# Altium PCB MotorDriverV2.PcbDoc (part 2 of 2)
Units mm, origin at the board's own origin, x right, y up, seen from the top; angles counter-clockwise.
Board outline 159.35 x 101.3 mm, 4 copper layers (Top Layer, GND, VS, Bottom Layer), stack 0.778 mm thick; 213 components, 141 nets, 729 pads, 323 vias.
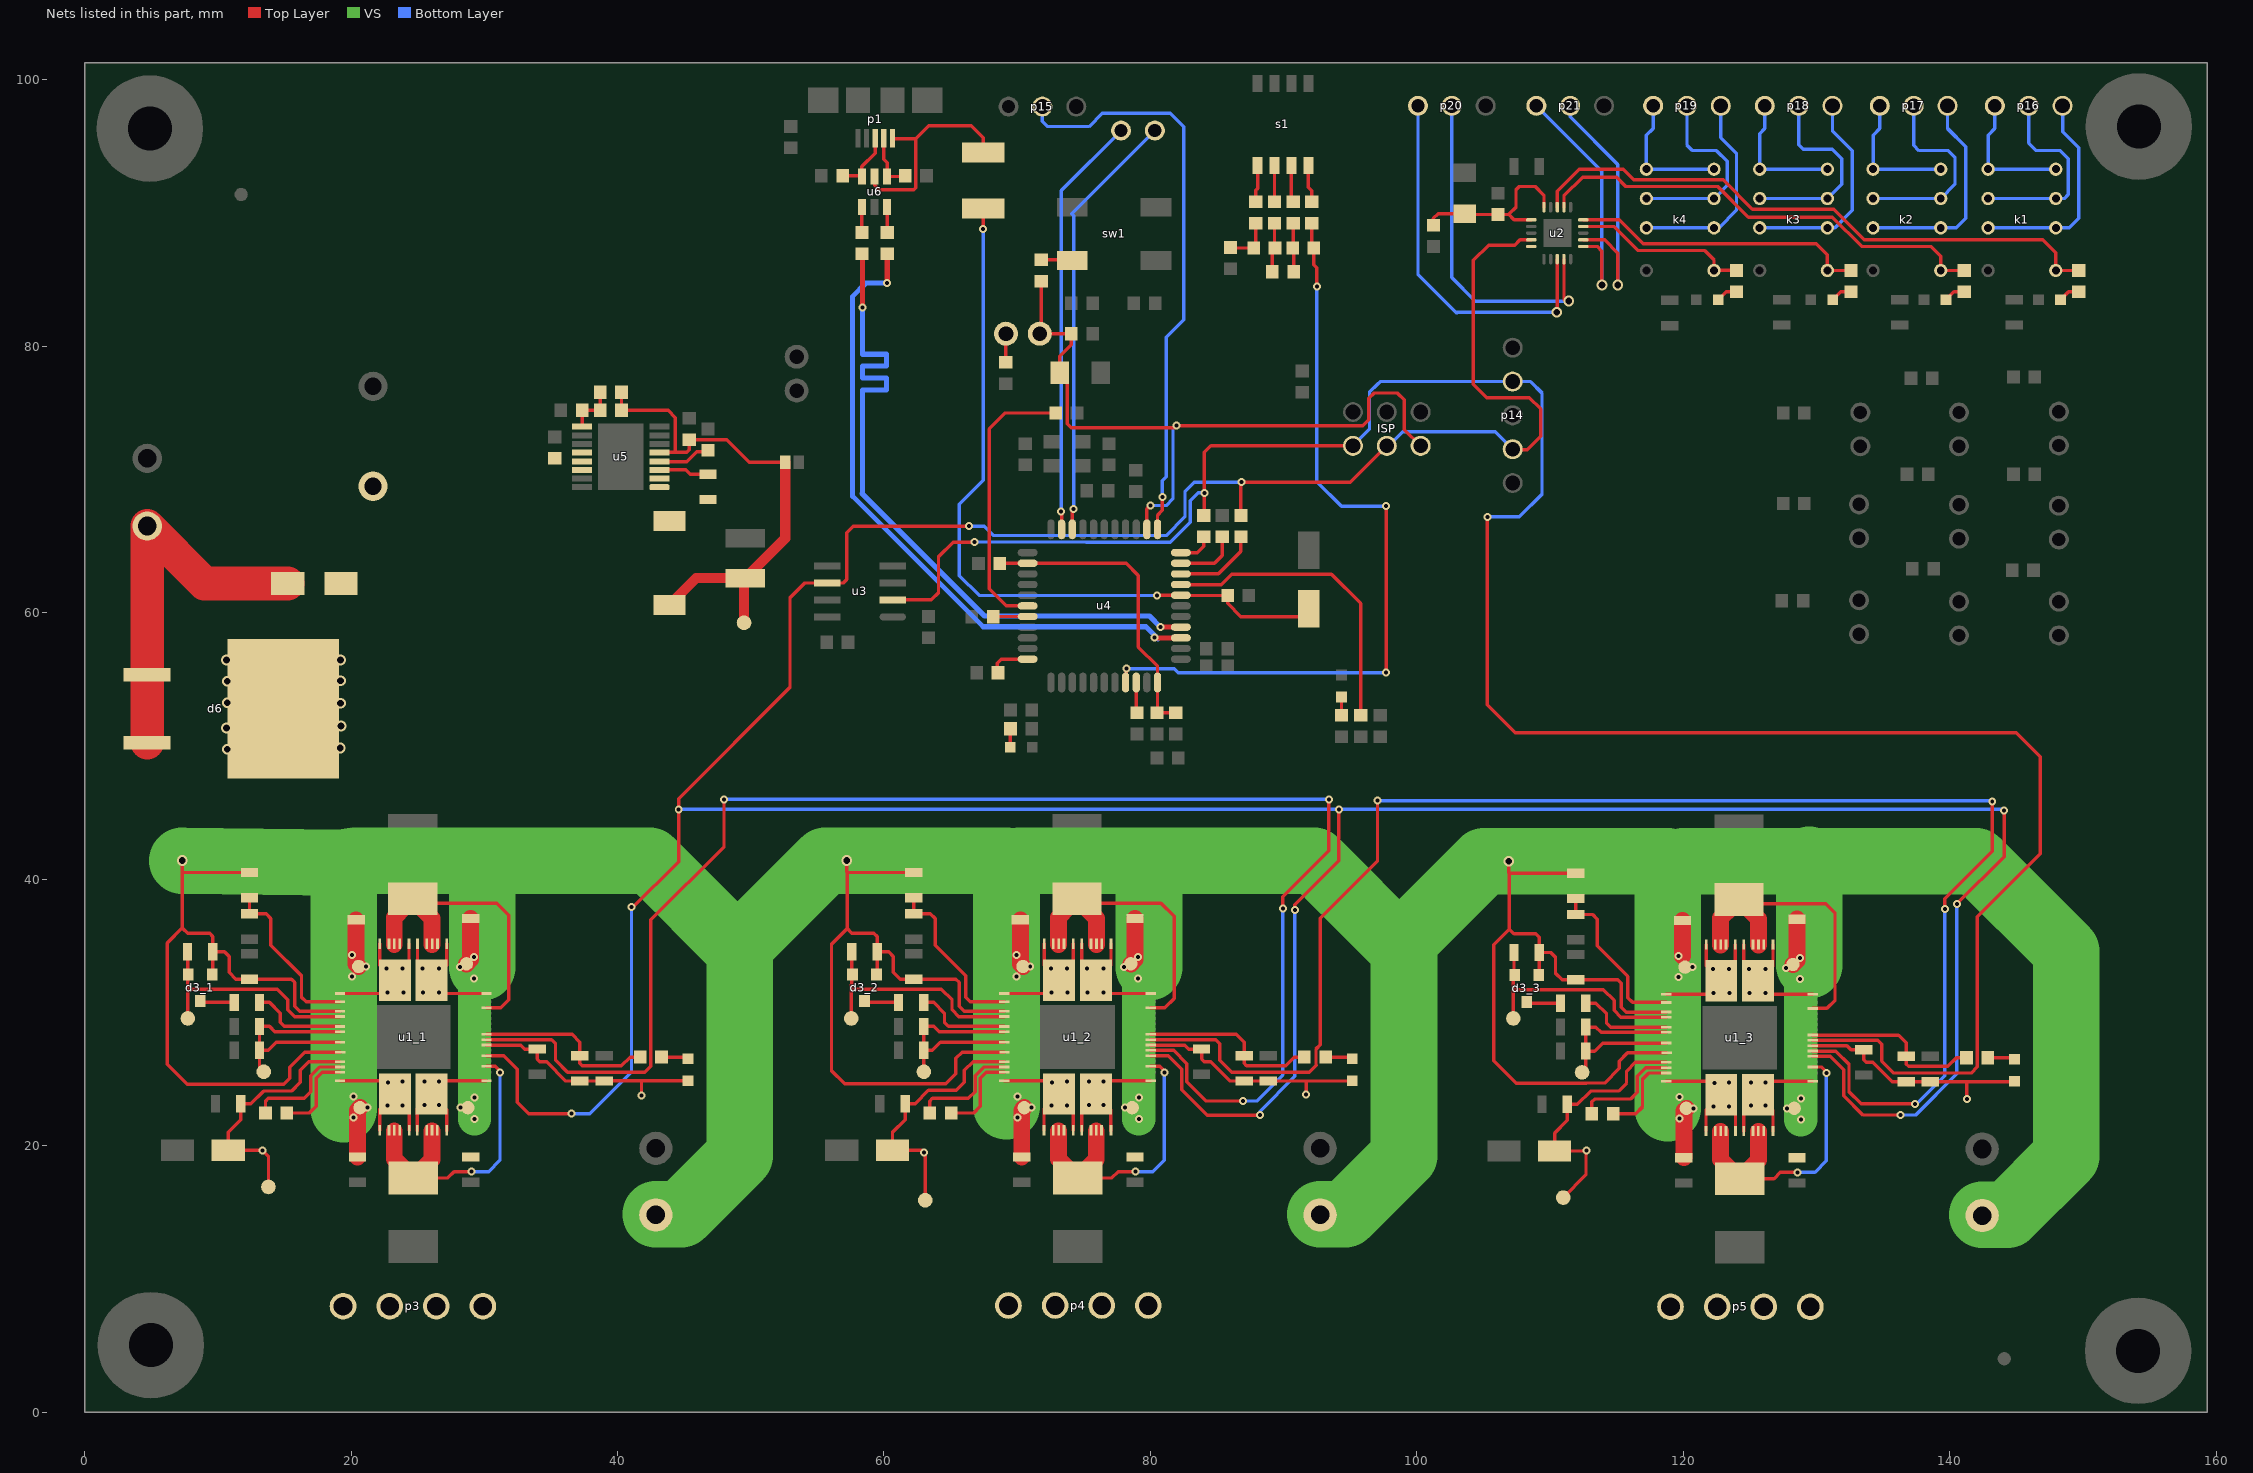
[diagram p4: the nets of this part, all layers, seen from the top]

## Via types
v1: diameter 0.6, hole 0.3, Top Layer to Bottom Layer, tented both sides, 130 vias
v2: diameter 0.6, hole 0.3, Top Layer to Bottom Layer, 115 vias
v3: diameter 0.8, hole 0.5, Top Layer to Bottom Layer, 32 vias
v4: diameter 0.8, hole 0.5, Top Layer to Bottom Layer, tented both sides, 31 vias
v5: diameter 0.8, hole 0.3, Top Layer to Bottom Layer, 15 vias

## Nets (pads, with @x,y where several pads share a name; then routed paths per layer and width w, separated by ;. In a path a pad name is that pad's centre, name@x,y a point inside that pad or via, vN(x,y) a via of type N, cw(c..) or ccw(c..) an arc to the next point about the centre after c; other vN are vias at no path point) (continued)
Netc6_2: c6.2 u4.42 | length 2.3
  Top Layer w0.254: u4.42@78.942,54.768 78.942,52.558 c6.2@79,52.5
Netc7_1: c7.1 c32.1 fb2.2 u4.24 u4.44 | length 23.1
  Top Layer w0.254: c32.1@68.7,63.718 u4.24@70.792,63.718 78.182,63.718 79.1,62.8 79.1,57.43 80.542,55.988 u4.44@80.542,54.768 80.542,52.542 fb2.2@80.5,52.5 c7.1@81.9,52.5
Netc13_U_M_Driver1_2: c13_1.2 c15_1.2 tp4_1.1 u1_1.58 u1_1.60 | length 16
  Top Layer w0.254: tp4_1.1@13.45,25.55 13.13,25.87 c13_1.2@13.13,27.15 ; u1_1.60@19.17,27.75 14.38,27.75 13.78,27.15 c13_1.2@13.13,27.15 ; u1_1.58@19.17,28.55 14.28,28.55 13.88,28.95 c15_1.2@13.13,28.95 c13_1.2@13.13,27.15
Netc13_U_M_Driver2_2: c13_2.2 c15_2.2 tp4_2.1 u1_2.58 u1_2.60 | length 15.9
  Top Layer w0.254: tp4_2.1@63,25.55 62.996,25.554 c13_2.2@62.996,27.15 ; u1_2.60@69.036,27.75 64.246,27.75 63.646,27.15 c13_2.2@62.996,27.15 ; u1_2.58@69.036,28.55 64.146,28.55 63.746,28.95 c15_2.2@62.996,28.95 c13_2.2@62.996,27.15
Netc13_U_M_Driver3_2: c13_3.2 c15_3.2 tp4_3.1 u1_3.58 u1_3.60 | length 16
  Top Layer w0.254: tp4_3.1@112.407,25.5 112.696,25.789 c13_3.2@112.696,27.1 ; u1_3.60@118.736,27.7 113.946,27.7 113.346,27.1 c13_3.2@112.696,27.1 ; u1_3.58@118.736,28.5 113.846,28.5 113.446,28.9 c15_3.2@112.696,28.9 c13_3.2@112.696,27.1
Netc14_U_M_Driver1_1: c14_1.1 d3_1.2 | length 2.6
  Top Layer w0.254: d3_1.2@8.68,30.85 8.78,30.75 c14_1.1@11.23,30.75
Netc14_U_M_Driver1_2: c14_1.2 u1_1.57 | length 7.2
  Top Layer w0.254: c14_1.2@13.13,30.75 13.88,30.75 14.68,29.95 14.68,29.25 14.98,28.95 u1_1.57@19.17,28.95
Netc14_U_M_Driver2_1: c14_2.1 d3_2.2 | length 2.6
  Top Layer w0.254: d3_2.2@58.546,30.85 58.646,30.75 c14_2.1@61.096,30.75
Netc14_U_M_Driver2_2: c14_2.2 u1_2.57 | length 7.2
  Top Layer w0.254: c14_2.2@62.996,30.75 63.746,30.75 64.546,29.95 64.546,29.25 64.846,28.95 u1_2.57@69.036,28.95
Netc14_U_M_Driver3_1: c14_3.1 d3_3.2 | length 2.6
  Top Layer w0.254: d3_3.2@108.246,30.8 108.346,30.7 c14_3.1@110.796,30.7
Netc14_U_M_Driver3_2: c14_3.2 u1_3.57 | length 7.2
  Top Layer w0.254: c14_3.2@112.696,30.7 113.446,30.7 114.246,29.9 114.246,29.2 114.546,28.9 u1_3.57@118.736,28.9
Netc16_U_M_Driver1_1: c16_1.1 d3_1.3 tp2_1.1 u1_1.56 | length 17.7
  Top Layer w0.254: c16_1.1@7.73,34.55 7.73,32.9 d3_1.3@7.78,32.85 7.75,32.82 7.75,31.75 ; tp2_1.1@7.75,29.55 7.75,31.75 ; u1_1.56@19.17,29.69 15.76,29.69 15.25,30.2 15.25,30.95 14.45,31.75 7.75,31.75
Netc16_U_M_Driver2_1: c16_2.1 d3_2.3 tp2_2.1 u1_2.56 | length 17.8
  Top Layer w0.254: tp2_2.1@57.55,29.55 57.55,31.75 ; c16_2.1@57.596,34.55 57.596,32.12 57.55,32.074 57.55,31.75 ; u1_2.56@69.036,29.69 65.626,29.69 65.116,30.2 65.116,30.95 64.316,31.75 57.55,31.75
Netc16_U_M_Driver3_1: c16_3.1 d3_3.3 tp2_3.1 u1_3.56 | length 17.8
  Top Layer w0.254: tp2_3.1@107.25,29.55 107.25,31.7 ; c16_3.1@107.296,34.5 107.296,32.85 d3_3.3@107.346,32.8 107.25,32.704 107.25,31.7 ; u1_3.56@118.736,29.64 115.326,29.64 114.816,30.15 114.816,30.9 114.016,31.7 107.25,31.7
Netc27_1: c27.1 u5.3 | length 3.8
  Top Layer w0.254: u5.3@43.15,70.725 45.125,70.725 45.45,70.4 c27.1@46.8,70.4
Netc28_2: c28.2 u5.4 | length 4
  Top Layer w0.254: u5.4@43.15,71.375 43.175,71.35 45.2,71.35 45.95,72.1 46.7,72.1 c28.2@46.8,72.2
Netc30_1: c30.1 r20.2 r50.2 u5.9 | length 3.9
  Top Layer w0.254: u5.9@37.35,73.975 r20.2@37.35,75.2 r50.2@38.7,75.2 c30.1@38.7,76.55
Netc40_2: c40.2 p24.1 | length 2.2
  Top Layer w0.254: c40.2@69.15,78.8 69.15,80.94 p24.1@69.16,80.95
Netc41_2: c41.2 d4.2 r19.1 u2.1 u2.20 | length 13.6
  Top Layer w0.254: c41.2@101.25,89.1 101.25,89.6 101.613,89.963 d4.2@103.6,89.963 103.663,89.9 r19.1@106.1,89.9 106.9,89.9 ; u2.1@108.6,89.5 107.3,89.5 106.9,89.9 ; u2.20@109.55,90.45 109.55,91.35 108.9,92 107.7,92 107.45,91.75 107.45,90.45 106.9,89.9
Netd7_U_M_Driver1_2: d7.2@45.3,26.525 r48.2@43.3,26.65 | length 2.1
  Top Layer w0.254: r48.2@43.3,26.65 45.175,26.65 d7.2@45.3,26.525
Netd7_U_M_Driver2_2: d7.2@95.166,26.525 r48.2@93.166,26.65 | length 2.1
  Top Layer w0.254: r48.2@93.166,26.65 95.041,26.65 d7.2@95.166,26.525
Netd7_U_M_Driver3_2: d7.2@144.866,26.475 r48.2@142.866,26.6 | length 2.1
  Top Layer w0.254: r48.2@142.866,26.6 144.741,26.6 d7.2@144.866,26.475
Netd8_1: d8.1 r21.1 | length 1.4
  Top Layer w0.254: d8.1@69.475,49.9 69.475,51.275 r21.1@69.5,51.3
Netd9_2: d9.2 r25.1 | length 1.6
  Top Layer w0.254: d9.2@148.325,83.5 148.925,84.1 r25.1@149.7,84.1
Netd10_2: d10.2 r26.1 | length 1.6
  Top Layer w0.254: d10.2@139.725,83.5 140.325,84.1 r26.1@141.1,84.1
Netd11_2: d11.2 r27.1 | length 1.6
  Top Layer w0.254: d11.2@131.225,83.5 131.825,84.1 r27.1@132.6,84.1
Netd12_2: d12.2 r28.1 | length 1.6
  Top Layer w0.254: d12.2@122.625,83.5 123.225,84.1 r28.1@124,84.1
Netd13_2: d13.2 r49.1 | length 1.4
  Top Layer w0.254: r49.1@94.35,52.3 d13.2@94.35,53.675
Netf1_1: f1.1 p1.1 u6.5 | length 16.4
  Top Layer w0.254: u6.5@59.3,92.75 59.3,92.08 59.63,91.75 62.25,91.75 62.4,91.9 62.4,95.6 ; p1.1@60.637,95.58 62.38,95.58 62.4,95.6 ; f1.1@67.45,94.55 67.45,95.65 66.55,96.55 63.35,96.55 62.4,95.6
Netk1_2: k1.2 k1.7 p16.3 | length 16.1
  Bottom Layer w0.254: k1.7@142.89,88.897 k1.2@147.97,88.897 148.997,88.897 149.7,89.6 149.7,94.9 148.478,96.122 p16.3@148.478,98.055
Netk1_3: k1.3 k1.6 p16.2 | length 15.1
  Bottom Layer w0.254: k1.6@142.89,91.097 k1.3@147.97,91.097 148.597,91.097 148.9,91.4 148.9,94.1 148.3,94.7 146.5,94.7 145.938,95.262 p16.2@145.938,98.055
Netk1_4: k1.4 k1.5 p16.1 | length 10
  Bottom Layer w0.254: p16.1@143.398,98.055 143.398,96.355 142.89,95.847 k1.5@142.89,93.297 k1.4@147.97,93.297
Netk2_2: k2.2 k2.7 p17.3 | length 16.3
  Bottom Layer w0.254: k2.7@134.254,88.897 k2.2@139.334,88.897 140.497,88.897 141.2,89.6 141.2,94.997 139.842,96.355 p17.3@139.842,98.055
Netk2_3: k2.3 k2.6 p17.2 | length 15.1
  Bottom Layer w0.254: k2.6@134.254,91.097 k2.3@139.334,91.097 140.4,92.163 140.4,94.2 139.9,94.7 137.7,94.7 137.302,95.098 p17.2@137.302,98.055
Netk2_4: k2.4 k2.5 p17.1 | length 10
  Bottom Layer w0.254: p17.1@134.762,98.055 134.762,96.355 134.254,95.847 k2.5@134.254,93.297 k2.4@139.334,93.297
Netk3_2: k3.2 k3.7 p18.3 | length 16
  Bottom Layer w0.254: k3.7@125.745,88.897 k3.2@130.825,88.897 131.397,88.897 132.7,90.2 132.7,94.7 131.206,96.194 p18.3@131.206,98.055
Netk3_3: k3.3 k3.6 p18.2 | length 15.1
  Bottom Layer w0.254: k3.6@125.745,91.097 k3.3@130.825,91.097 131.9,92.172 131.9,94.1 131.2,94.8 129,94.8 128.666,95.134 p18.2@128.666,98.055
Netk3_4: k3.4 k3.5 p18.1 | length 10
  Bottom Layer w0.254: p18.1@126.126,98.055 126.126,96.355 125.745,95.974 k3.5@125.745,93.297 k3.4@130.825,93.297
Netk4_2: k4.2 k4.7 p19.3 | length 15.6
  Bottom Layer w0.254: k4.7@117.236,88.897 k4.2@122.316,88.897 122.697,88.897 124,90.2 124,94.5 122.824,95.676 p19.3@122.824,98.055
Netk4_3: k4.3 k4.6 p19.2 | length 14.7
  Bottom Layer w0.254: k4.6@117.236,91.097 k4.3@122.316,91.097 123.3,92.081 123.3,93.9 122.5,94.7 120.7,94.7 120.284,95.116 p19.2@120.284,98.055
Netk4_4: k4.4 k4.5 p19.1 | length 10.1
  Bottom Layer w0.254: p19.1@117.944,98.055 117.744,97.855 117.744,96.355 117.236,95.847 k4.5@117.236,93.297 k4.4@122.316,93.297
Netp1_2: p1.2 u6.4 vr2.2 | length 4.3
  Top Layer w0.254: p1.2@60,95.625 60,94.05 60.25,93.8 u6.4@60.25,92.75 61.55,92.75 vr2.2@61.6,92.8
Netp1_3: p1.3 u6.6 vr1.2 | length 4.8
  Top Layer w0.254: vr1.2@56.9,92.8 58.3,92.8 u6.6@58.35,92.75 58.35,93.5 59.35,94.5 p1.3@59.35,95.625
Netr2_1: r2.1 u6.1 | length 1.9
  Top Layer w0.254: r2.1@58.35,88.55 u6.1@58.35,90.45
Netr3_1: r3.1 u6.3 | length 1.9
  Top Layer w0.254: r3.1@60.25,88.55 u6.3@60.25,90.45
Netr6_U_M_Driver1_1: r6_1.1 r7_1.2 u1_1.54 | length 12.8
  Top Layer w0.254: r6_1.1@12.38,38.6 r7_1.2@12.38,37.4 13.63,37.4 13.98,37.05 13.98,35.05 16.28,32.75 16.28,31.15 16.63,30.8 u1_1.54@19.17,30.8
Netr6_U_M_Driver2_1: r6_2.1 r7_2.2 u1_2.54 | length 12.8
  Top Layer w0.254: r6_2.1@62.246,38.6 r7_2.2@62.246,37.4 63.496,37.4 63.846,37.05 63.846,35.05 66.146,32.75 66.146,31.15 66.496,30.8 u1_2.54@69.036,30.8
Netr6_U_M_Driver3_1: r6_3.1 r7_3.2 u1_3.54 | length 12.8
  Top Layer w0.254: r6_3.1@111.946,38.55 r7_3.2@111.946,37.35 113.196,37.35 113.546,37 113.546,35 115.846,32.7 115.846,31.1 116.196,30.75 u1_3.54@118.736,30.75
Netr8_1: r8.1 r12.1 r13.2 | length 3.7
  Top Layer w0.254: r12.1@86.019,87.422 86.057,87.384 r13.2@87.759,87.384 87.924,87.549 r8.1@87.924,89.251
Netr8_2: r8.2 s1.1 | length 2.8
  Top Layer w0.254: r8.2@87.924,90.851 87.924,91.724 88.051,91.851 s1.1@88.051,93.58
Netr9_1: r9.1 r15.1 u4.41 | length 58.7
  Top Layer w0.254: u4.41@78.142,54.768 78.2,54.826 v1(78.2,55.8) ; r9.1@92.115,89.251 92.115,87.549 r15.1@92.28,87.384 92.28,86.12 92.5,85.9 v1(92.5,84.5) ; v1(97.7,55.5) v1(97.7,68)
  Bottom Layer w0.254: v1(78.2,55.8) 81.8,55.8 82.1,55.5 v1(97.7,55.5) ; v1(92.5,84.5) 92.5,69.85 94.35,68 v1(97.7,68)
Netr9_2: r9.2 s1.4 | length 2.8
  Top Layer w0.254: s1.4@91.861,93.58 91.861,91.939 92.115,91.685 r9.2@92.115,90.851
Netr10_1: r10.1 r13.1 r14.2 | length 3.7
  Top Layer w0.254: r14.2@89.156,85.606 89.156,87.257 89.321,87.422 r10.1@89.321,89.251
Netr10_2: r10.2 s1.2 | length 2.7
  Top Layer w0.254: r10.2@89.321,90.851 s1.2@89.321,93.58
Netr11_1: r11.1 r14.1 r15.2 | length 3.7
  Top Layer w0.254: r11.1@90.718,89.251 90.718,87.422 90.756,87.384 r14.1@90.756,85.606
Netr11_2: r11.2 s1.3 | length 2.8
  Top Layer w0.254: s1.3@90.591,93.58 90.591,90.978 r11.2@90.718,90.851
Netr16_2: r16.2 u4.33 | length 3.2
  Top Layer w0.254: r16.2@68.6,55.5 68.518,55.582 68.518,56.218 68.818,56.518 u4.33@70.792,56.518
Netr17_U_M_Driver1_2: r17_1.2 u1_1.20 u1_1.34 u1_1.35 u1_1.36 u1_1.39 u1_1.40 u1_1.41 | length 23.5
  Top Layer w0.254: r17_1.2@24.005,37.9 r17_1.2@24.63,38.525 24.955,38.2 30.95,38.2 31.84,37.31 31.84,30.96 31.23,30.35 u1_1.20@30.17,30.35
  Top Layer w1.27: u1_1.40@23.243,35.112 23.243,37.138 r17_1.2@24.005,37.9 ; r17_1.2@24.955,38.2 26.083,37.072 u1_1.35@26.083,35.112
Netr17_U_M_Driver2_2: r17_2.2 u1_2.20 u1_2.34 u1_2.35 u1_2.36 u1_2.39 u1_2.40 u1_2.41 | length 23.6
  Top Layer w0.254: r17_2.2@73.871,37.9 r17_2.2@74.496,38.525 74.821,38.2 80.8,38.2 81.791,37.209 81.791,31.045 81.096,30.35 u1_2.20@80.036,30.35
  Top Layer w1.27: u1_2.40@73.109,35.112 73.109,37.138 r17_2.2@73.871,37.9 ; r17_2.2@74.821,38.2 75.949,37.072 u1_2.35@75.949,35.112
Netr17_U_M_Driver3_2: r17_3.2 u1_3.20 u1_3.34 u1_3.35 u1_3.36 u1_3.39 u1_3.40 u1_3.41 | length 23.6
  Top Layer w0.254: r17_3.2@123.571,37.85 r17_3.2@124.196,38.475 124.521,38.15 130.7,38.15 131.4,37.45 131.4,30.904 130.796,30.3 u1_3.20@129.736,30.3
  Top Layer w1.27: u1_3.40@122.809,35.062 122.809,37.088 r17_3.2@123.571,37.85 ; r17_3.2@124.521,38.15 125.649,37.022 u1_3.35@125.649,35.062
Netr18_U_M_Driver1_2: r18_1.2 u1_1.9 u1_1.77 u1_1.78 u1_1.79 u1_1.82 u1_1.83 u1_1.84 | length 23.3
  Top Layer w0.254: r18_1.2@24.68,17.575 27.255,17.575 27.73,18.05 v1(29.03,18.05) ; u1_1.9@30.17,25.95 30.83,25.95 31.28,25.5 v1(31.18,25.5)
  Top Layer w1.27: u1_1.78@23.243,21.112 23.243,19.012 r18_1.2@24.68,17.575 26.073,18.968 u1_1.83@26.073,21.112
  Bottom Layer w0.254: v1(29.03,18.05) 30.33,18.05 31.18,18.9 v1(31.18,25.5)
Netr18_U_M_Driver2_2: r18_2.2 u1_2.9 u1_2.77 u1_2.78 u1_2.79 u1_2.82 u1_2.83 u1_2.84 | length 23.3
  Top Layer w0.254: r18_2.2@74.546,17.575 77.121,17.575 77.596,18.05 v1(78.896,18.05) ; u1_2.9@80.036,25.95 80.696,25.95 81.146,25.5 v1(81.046,25.5)
  Top Layer w1.27: u1_2.78@73.109,21.112 73.109,19.012 r18_2.2@74.546,17.575 75.939,18.968 u1_2.83@75.939,21.112
  Bottom Layer w0.254: v1(78.896,18.05) 80.196,18.05 81.046,18.9 v1(81.046,25.5)
Netr18_U_M_Driver3_2: r18_3.2 u1_3.9 u1_3.77 u1_3.78 u1_3.79 u1_3.82 u1_3.83 u1_3.84 | length 23.3
  Top Layer w0.254: r18_3.2@124.246,17.525 126.821,17.525 127.296,18 v1(128.596,18) ; u1_3.9@129.736,25.9 130.396,25.9 130.846,25.45 v1(130.746,25.45)
  Top Layer w1.27: u1_3.78@122.809,21.062 122.809,18.962 r18_3.2@124.246,17.525 125.639,18.918 u1_3.83@125.639,21.062
  Bottom Layer w0.254: v1(128.596,18) 129.896,18 130.746,18.85 v1(130.746,25.45)
Netr22_U_M_Driver1_2: r22_1.2 r48.1@41.7,26.65 u1_1.15 | length 13.7
  Top Layer w0.254: u1_1.15@30.17,28.35 36.6,28.35 37.18,27.77 r22_1.2@37.18,26.75 37.18,26.17 37.35,26 40.3,26 40.95,26.65 r48.1@41.7,26.65
Netr22_U_M_Driver2_2: r22_2.2 r48.1@91.566,26.65 u1_2.15 | length 13.7
  Top Layer w0.254: u1_2.15@80.036,28.35 86.466,28.35 87.046,27.77 r22_2.2@87.046,26.75 87.046,26.17 87.216,26 90.166,26 90.816,26.65 r48.1@91.566,26.65
Netr22_U_M_Driver3_2: r22_3.2 r48.1@141.266,26.6 u1_3.15 | length 13.7
  Top Layer w0.254: u1_3.15@129.736,28.3 136.166,28.3 136.746,27.72 136.746,26.12 136.916,25.95 139.866,25.95 140.516,26.6 r48.1@141.266,26.6
Netr24_U_M_Driver1_1: r24_1.1 u1_1.64 | length 6.5
  Top Layer w0.254: r24_1.1@15.18,22.45 16.88,22.45 17.38,22.95 17.38,25.05 17.83,25.5 u1_1.64@19.17,25.5
Netr24_U_M_Driver1_2: r24_1.2 u1_1.63 | length 8.2
  Top Layer w0.254: r24_1.2@13.58,22.45 13.58,23.35 13.78,23.55 16.48,23.55 16.98,24.05 16.98,25.25 17.63,25.9 u1_1.63@19.17,25.9
Netr24_U_M_Driver2_1: r24_2.1 u1_2.64 | length 6.5
  Top Layer w0.254: r24_2.1@65.046,22.45 66.746,22.45 67.246,22.95 67.246,25.05 67.696,25.5 u1_2.64@69.036,25.5
Netr24_U_M_Driver2_2: r24_2.2 u1_2.63 | length 8.2
  Top Layer w0.254: r24_2.2@63.446,22.45 63.446,23.35 63.646,23.55 66.346,23.55 66.846,24.05 66.846,25.25 67.496,25.9 u1_2.63@69.036,25.9
Netr24_U_M_Driver3_1: r24_3.1 u1_3.64 | length 6.5
  Top Layer w0.254: r24_3.1@114.746,22.4 116.446,22.4 116.946,22.9 116.946,25 117.396,25.45 u1_3.64@118.736,25.45
Netr24_U_M_Driver3_2: r24_3.2 u1_3.63 | length 8.2
  Top Layer w0.254: r24_3.2@113.146,22.4 113.146,23.3 113.346,23.5 116.046,23.5 116.546,24 116.546,25.2 117.196,25.85 u1_3.63@118.736,25.85
Netr33_2: r33.2 u4.29 | length 2.6
  Top Layer w0.254: r33.2@68.2,59.7 68.218,59.718 u4.29@70.792,59.718
Netr34_2: r34.2 u4.10 | length 4.7
  Top Layer w0.254: u4.10@82.292,63.718 84.818,63.718 85.4,64.3 r34.2@85.4,65.7
Netr35_2: r35.2 u4.9 | length 6.3
  Top Layer w0.254: u4.9@82.31,62.9 u4.9@82.292,62.918 85.118,62.918 86.8,64.6 r35.2@86.8,65.7
Netr36_2: r36.2 u4.28 | length 20.9
  Top Layer w0.254: u4.28@70.792,60.518 69.182,60.518 67.9,61.8 67.9,73.8 69.1,75 r36.2@72.9,75
Netr37_2: r37.2 u4.8 | length 23.3
  Top Layer w0.254: u4.8@82.292,62.118 85.318,62.118 86.1,62.9 93.6,62.9 95.8,60.7 95.8,52.6 r37.2@95.5,52.3
Netr38_2: r38.2 u4.11 | length 2.6
  Top Layer w0.254: u4.11@82.292,64.518 83.518,64.518 84,65 r38.2@84,65.7
Netr44_1: r44.1 sw1.2 | length 2.4
  Top Layer w0.254: r44.1@71.8,86.5 74.072,86.5 sw1.2@74.128,86.444
Netu2_5: u2.5
OUTA1_1: p3.4 u1_1.38 u1_1.42 u1_1.53 u1_1.94 | length 10.9
  Top Layer w0.254: u1_1.53@19.17,31.42 22.29,31.42 u1_1.94@23.29,32.42 ; u1_1.42@22.16,35.15 22.16,33.55 u1_1.94@23.29,32.42 ; u1_1.38@24.35,35.15 24.35,33.48 u1_1.94@23.29,32.42
  other v2: 22.72,31.5 23.92,31.5 22.67,33.3 23.87,33.3
OUTA1_2: p4.4 u1_2.38 u1_2.42 u1_2.53 u1_2.94 | length 10.9
  Top Layer w0.254: u1_2.53@69.036,31.42 72.156,31.42 u1_2.94@73.156,32.42 ; u1_2.42@72.026,35.15 72.026,33.55 u1_2.94@73.156,32.42 ; u1_2.38@74.216,35.15 74.216,33.48 u1_2.94@73.156,32.42
  other v2: 72.586,31.5 73.786,31.5 72.536,33.3 73.736,33.3
OUTA1_3: p5.4 u1_3.38 u1_3.42 u1_3.53 u1_3.94 | length 10.9
  Top Layer w0.254: u1_3.53@118.736,31.37 121.856,31.37 u1_3.94@122.856,32.37 ; u1_3.42@121.726,35.1 121.726,33.5 u1_3.94@122.856,32.37 ; u1_3.38@123.916,35.1 123.916,33.43 u1_3.94@122.856,32.37
  other v2: 122.286,31.45 123.486,31.45 122.236,33.25 123.436,33.25
OUTA2_1: p3.1 u1_1.22 u1_1.33 u1_1.37 u1_1.93 | length 10.9
  Top Layer w0.254: u1_1.37@24.99,35.15 24.99,33.48 u1_1.93@26.05,32.42 ; u1_1.33@27.18,35.15 27.18,33.55 u1_1.93@26.05,32.42 ; u1_1.22@30.17,31.42 27.05,31.42 u1_1.93@26.05,32.42
  other v2: 25.42,31.5 26.62,31.5 25.37,33.3 26.62,33.3
OUTA2_2: p4.1 u1_2.22 u1_2.33 u1_2.37 u1_2.93 | length 10.9
  Top Layer w0.254: u1_2.37@74.856,35.15 74.856,33.48 u1_2.93@75.916,32.42 ; u1_2.33@77.046,35.15 77.046,33.55 u1_2.93@75.916,32.42 ; u1_2.22@80.036,31.42 76.916,31.42 u1_2.93@75.916,32.42
  other v2: 75.286,31.5 76.486,31.5 75.236,33.3 76.486,33.3
OUTA2_3: p5.1 u1_3.22 u1_3.33 u1_3.37 u1_3.93 | length 10.9
  Top Layer w0.254: u1_3.37@124.556,35.1 124.556,33.43 u1_3.93@125.616,32.37 ; u1_3.33@126.746,35.1 126.746,33.5 u1_3.93@125.616,32.37 ; u1_3.22@129.736,31.37 126.616,31.37 u1_3.93@125.616,32.37
  other v2: 124.986,31.45 126.186,31.45 124.936,33.25 126.186,33.25
OUTB1_1: p3.3 u1_1.65 u1_1.76 u1_1.80 u1_1.97 | length 10.9
  Top Layer w0.254: u1_1.65@19.17,24.88 22.29,24.88 u1_1.97@23.29,23.88 ; u1_1.76@22.15,21.15 22.15,22.74 u1_1.97@23.29,23.88 ; u1_1.80@24.36,21.15 24.36,22.81 u1_1.97@23.29,23.88
  other v2: 22.72,23 23.87,23 22.77,24.75 23.87,24.8
OUTB1_2: p4.3 u1_2.65 u1_2.76 u1_2.80 u1_2.97 | length 10.9
  Top Layer w0.254: u1_2.65@69.036,24.88 72.156,24.88 u1_2.97@73.156,23.88 ; u1_2.76@72.016,21.15 72.016,22.74 u1_2.97@73.156,23.88 ; u1_2.80@74.226,21.15 74.226,22.81 u1_2.97@73.156,23.88
  other v2: 72.586,23 73.736,23 72.636,24.75 73.736,24.8
OUTB1_3: p5.3 u1_3.65 u1_3.76 u1_3.80 u1_3.97 | length 10.9
  Top Layer w0.254: u1_3.65@118.736,24.83 121.856,24.83 u1_3.97@122.856,23.83 ; u1_3.76@121.716,21.1 121.716,22.69 u1_3.97@122.856,23.83 ; u1_3.80@123.926,21.1 123.926,22.76 u1_3.97@122.856,23.83
  other v2: 122.286,22.95 123.436,22.95 122.336,24.7 123.436,24.75
OUTB2_1: p3.2 u1_1.7 u1_1.81 u1_1.85 u1_1.98 | length 10.9
  Top Layer w0.254: u1_1.81@24.973,21.112 24.973,22.772 25.386,23.185 u1_1.98@26.043,23.842 ; u1_1.85@27.173,21.112 27.173,22.712 u1_1.98@26.043,23.842 ; u1_1.7@30.17,24.88 27.081,24.88 u1_1.98@26.043,23.842
  other v2: 25.52,23.05 26.62,23.05 25.52,24.8 26.62,24.8
OUTB2_2: p4.2 u1_2.7 u1_2.81 u1_2.85 u1_2.98 | length 10.9
  Top Layer w0.254: u1_2.81@74.839,21.112 74.839,22.772 75.252,23.184 u1_2.98@75.909,23.842 ; u1_2.85@77.039,21.112 77.039,22.712 u1_2.98@75.909,23.842 ; u1_2.7@80.036,24.88 76.947,24.88 u1_2.98@75.909,23.842
  other v2: 75.386,23.05 76.486,23.05 75.386,24.8 76.486,24.8
OUTB2_3: p5.2 u1_3.7 u1_3.81 u1_3.85 u1_3.98 | length 10.9
  Top Layer w0.254: u1_3.81@124.539,21.062 124.539,22.722 124.952,23.134 u1_3.98@125.609,23.792 ; u1_3.85@126.739,21.062 126.739,22.662 u1_3.98@125.609,23.792 ; u1_3.7@129.736,24.83 126.647,24.83 u1_3.98@125.609,23.792
  other v2: 125.086,23 126.186,23 125.086,24.75 126.186,24.75
PS: D5.2 d6.1 d6.3 p22.1 | length 28.6
  Top Layer w1.27: d6.3@4.687,50.26 d6.3@4.7,50.273
  Top Layer w2.54: d6.3@4.7,50.273 p22.1@4.7,66.51 9.01,62.2 D5.2@15.25,62.2
PSU_O: b1.1 c29.2 c30.2 c31.2 L1.2 r50.1 tp1.1 u5.5 | length 39.1
  Top Layer w0.254: c30.2@40.3,76.55 r50.1@40.3,75.2 43.8,75.2 44.35,74.65 44.35,72.05 ; u5.5@43.15,72.025 43.175,72.05 44.35,72.05 ; b1.1@52.6,71.3 49.9,71.3 48.2,73 c31.2@45.4,73 45.4,72.25 45.2,72.05 44.35,72.05
  Top Layer w0.762: L1.2@43.9,60.6 45.9,62.6 c29.2@49.6,62.6 ; tp1.1@49.5,59.25 49.5,62.5 c29.2@49.6,62.6 ; b1.1@52.6,71.3 52.6,65.6 c29.2@49.6,62.6
PWM: p15.2 u4.12 | length 43.7
  Top Layer w0.254: u4.12@80.542,66.268 80.542,67.342 80.9,67.7 v1(80.9,68.7)
  Bottom Layer w0.254: p15.2@71.9,98 71.9,96.9 72.3,96.5 75.4,96.5 76.4,97.5 81.5,97.5 82.5,96.5 82.5,82 81.2,80.7 81.2,70.2 80.9,69.9 v1(80.9,68.7)
R\E\S\E\T\: d1.2 ISP.5 p24.2 r1.1 r44.2 u4.13 | length 54.5
  Top Layer w0.254: r44.2@71.8,84.9 71.8,81.05 71.899,80.951 r1.1@74.065,80.951 74.065,80.115 73.201,79.251 d1.2@73.201,78.03 73.75,77.481 73.75,74.2 74.05,73.9 81.8,73.9 v1(81.95,74.05) 95.95,74.05 96.4,74.5 96.4,76.1 96.8,76.5 98.55,76.5 99.07,75.98 99.07,73.75 ISP.5@100.29,72.53 ; u4.13@79.742,66.268 79.742,67.792 v1(80,68.05)
  Bottom Layer w0.254: v1(80,68.05) 81.2,68.05 81.7,68.55 81.7,73.8 v1(81.95,74.05)
Relay_OUT1: k1.1 r25.2 u2.18 | length 45
  Top Layer w0.254: u2.18@110.55,90.45 110.55,91.652 112.198,93.3 115.5,93.3 116.3,92.5 123,92.5 125.2,90.3 131.3,90.3 133.6,88 147,88 147.97,87.03 k1.1@147.97,85.697 149.697,85.697 r25.2@149.7,85.7
Relay_OUT2: k2.1 r26.2 u2.17 | length 35
  Top Layer w0.254: u2.17@111.05,90.45 111.05,91.3 112.45,92.7 115,92.7 115.7,92 122.6,92 124.9,89.7 131.2,89.7 133.4,87.5 138.6,87.5 139.334,86.766 k2.1@139.334,85.697 141.097,85.697 r26.2@141.1,85.7
Relay_OUT3: k3.1 r27.2 u2.15 | length 22.4
  Top Layer w0.254: u2.15@112.5,89.5 115.2,89.5 117,87.7 130,87.7 130.825,86.875 k3.1@130.825,85.697 132.597,85.697 r27.2@132.6,85.7
Relay_OUT4: k4.1 r28.2 u2.14 | length 13.3
  Top Layer w0.254: u2.14@112.5,89 114.8,89 116.6,87.2 121.6,87.2 122.316,86.484 k4.1@122.316,85.697 122.319,85.7 r28.2@124,85.7
Relay_OUT5: p21.2 u2.12 | length 20.4
  Top Layer w0.254: u2.12@112.5,88 114.1,88 115.1,87 v4(115.1,84.6)
  Bottom Layer w0.254: p21.2@111.521,98.055 111.521,97.229 115.1,93.65 v4(115.1,84.6)
Relay_OUT6: p21.1 u2.11 | length 19.6
  Top Layer w0.254: u2.11@112.5,87.5 113.55,87.5 113.9,87.15 v4(113.9,84.6)
  Bottom Layer w0.254: p21.1@108.981,98.055 113.9,93.136 v4(113.9,84.6)
Relay_OUT7: p20.2 u2.9 | length 25.8
  Top Layer w0.254: u2.9@111.05,86.55 111.05,83.55 111.2,83.4 v4(111.4,83.4)
  Bottom Layer w0.254: p20.2@102.631,98.055 102.631,85.169 104.4,83.4 v4(111.4,83.4)
Relay_OUT8: p20.1 u2.8 | length 28.3
  Top Layer w0.254: v4(110.5,82.55) 110.55,82.6 u2.8@110.55,86.55
  Bottom Layer w0.254: p20.1@100.091,98.055 100.091,85.409 103,82.5 103.05,82.55 v4(110.5,82.55)
RX: p23.2 u4.20 | length 32.6
  Top Layer w0.254: u4.20@74.142,66.268 74.142,67.692 v1(74.25,67.8)
  Bottom Layer w0.254: v1(74.25,67.8) 74.25,89.81 74.1,89.96 p23.2@80.34,96.2
SCK: ISP.3 p14.2 r35.1 u1_1.11 u1_2.11 u1_3.11 u2.4 u3.6 | length 319.3
  Top Layer w0.254: u1_1.11@30.17,26.75 31.48,26.75 32.48,25.75 32.48,23.27 33.35,22.4 v1(36.55,22.4) ; v1(41.05,37.9) 41.05,37.77 44.6,41.32 v1(44.6,45.25) 44.6,46.05 52.95,54.4 52.95,61.12 54.065,62.235 u3.6@55.735,62.235 56.935,62.235 57.2,62.5 57.2,66 57.7,66.5 v1(66.4,66.5) ; u1_2.11@80.036,26.75 81.346,26.75 82.346,25.75 82.346,24.204 84.265,22.285 v1(88.246,22.285) ; r35.1@86.8,67.3 v1@86.8,69.8 ; v1(86.85,69.8) 95.02,69.8 ISP.3@97.75,72.53 ; v1(90.846,37.7) 90.846,38.092 94.15,41.396 v1(94.15,45.25) ; p14.2@107.2,72.28 107.23,72.25 108.3,72.25 109.3,73.25 109.3,75.3 108.45,76.15 105.25,76.15 104.25,77.15 104.25,86.45 105.4,87.6 107.35,87.6 107.75,88 u2.4@108.6,88 ; u1_3.11@129.736,26.7 131.046,26.7 132.046,25.7 132.046,23.75 133.496,22.3 v1(136.3,22.3) ; v1(140.546,38.146) 144.1,41.7 v1(144.1,45.15)
  Bottom Layer w0.254: v1(36.55,22.4) 37.93,22.4 41.05,25.52 v1(41.05,37.9) ; v1(44.6,45.25) v1(94.15,45.25) 144,45.25 v1(144.1,45.15) ; v1(66.4,66.5) 67.53,66.5 68.23,65.8 81.2,65.8 82.6,67.2 82.6,69.1 83.3,69.8 v1(86.85,69.8) ; v1(88.246,22.285) 88.246,22.596 90.846,25.196 v1(90.846,37.7) ; ISP.3@97.75,72.53 97.88,72.53 98.95,73.6 105.88,73.6 p14.2@107.2,72.28 ; v1(136.3,22.3) 137.446,22.3 140.546,25.4 v1(140.546,38.146)
SDO1: u1_1.14 u1_2.12 | length 117.2
  Top Layer w0.254: u1_1.14@30.17,27.95 35.05,27.95 35.35,27.65 35.35,26.4 36.25,25.5 42.05,25.5 42.509,25.959 42.509,36.959 48,42.45 v1(48,46) ; u1_2.12@80.036,27.15 81.746,27.15 82.746,26.15 82.746,24.804 84.2,23.35 v1(86.95,23.35) ; v1(89.946,37.8) 89.946,38.692 93.4,42.146 v1(93.4,46)
  Bottom Layer w0.254: v1(48,46) v1(93.4,46) ; v1(86.95,23.35) 87.996,23.35 89.946,25.3 v1(89.946,37.8)
SDO2: u1_2.14 u1_3.12 | length 118
  Top Layer w0.254: u1_2.14@80.036,27.95 84.916,27.95 85.216,27.65 85.216,26.4 86.116,25.5 91.916,25.5 92.449,26.033 92.437,26.045 92.437,27.255 92.763,27.581 92.763,37.063 97.05,41.35 v1(97.05,45.9) ; u1_3.12@129.736,27.1 131.446,27.1 132.446,26.1 132.446,24.05 133.352,23.144 v1(137.406,23.144) ; v1(139.646,37.75) 139.646,38.55 143.2,42.104 v1(143.2,45.85)
  Bottom Layer w0.254: v1(97.05,45.9) 143.15,45.9 v1(143.2,45.85) ; v1(137.406,23.144) 137.54,23.144 139.646,25.25 v1(139.646,37.75)
SDO3: ISP.1 p14.4 r38.1 u1_3.14 u3.2 | length 172.7
  Top Layer w0.254: u3.2@60.665,60.965 63.565,60.965 64.1,61.5 64.1,64.2 65.2,65.3 v1(66.8,65.3) ; r38.1@84,67.3 84.05,67.35 v1(84.05,69) 84.05,72.05 84.55,72.55 ISP.1@95.21,72.55 ; v1(105.3,67.2) 105.3,53.1 107.4,51 145,51 146.8,49.2 146.8,41.904 142.075,37.179 142.075,25.909 141.616,25.45 135.816,25.45 134.916,26.35 134.916,27.6 134.616,27.9 u1_3.14@129.736,27.9
  Bottom Layer w0.254: v1(66.8,65.3) 66.812,65.312 75.171,65.312 75.183,65.3 81.5,65.3 83,66.8 83,68.4 83.6,69 v1(84.05,69) ; ISP.1@95.21,72.53 96.45,73.77 96.45,76.55 97.075,77.175 97.26,77.36 108.54,77.36 109.4,76.5 109.4,68.9 107.7,67.2 v1(105.3,67.2)
SW: 
SW_O: c27.2 L1.1 u5.1 u5.2
TX: p23.1 u4.21 | length 31.8
  Top Layer w0.254: v1(73.3,67.6) 73.342,67.558 u4.21@73.342,66.268
  Bottom Layer w0.254: v1(73.3,67.6) 73.3,91.7 p23.1@77.8,96.2
USB_N: r3.2 u4.3 | length 49.6
  Top Layer w0.381: v1(60.25,84.75) r3.2@60.25,86.95 ; v1(80.324,58.154) 80.36,58.118 u4.3@82.292,58.118
  Bottom Layer w0.381: v1(60.25,84.75) 58.65,84.75 57.656,83.755 57.656,68.744 67.45,58.95 79.683,58.95 v1@80.583,58.05
USB_P: r2.2 u4.4 | length 53.3
  Top Layer w0.381: r2.2@58.35,86.95 58.4,86.9 v1(58.4,82.9) ; v1(80.768,58.918) u4.4@82.292,58.918
  Bottom Layer w0.381: v1(58.4,82.9) 58.4,79.406 60.187,79.406 60.187,78.517 58.4,78.517 58.4,77.628 60.187,77.628 60.187,76.739 58.4,76.739 58.4,69 58.35,68.95 67.55,59.75 79.936,59.75 v1(80.768,58.918)
VIN: c18.2 c42.2 D5.1 u5.12 u5.13 u5.14
VREG_U_M_Driver1: c10_1.2 c11_1.2 c12_1.1 d7.1@45.3,24.875 r22_1.1 r23_1.1 tp3_1.1 u1_1.13 u1_1.62 | length 36.5
  Top Layer w0.254: tp3_1.1@13.8,16.9 13.8,19.2 v1(13.35,19.65) c10_1.2@10.78,19.65 10.78,21 11.73,21.95 c11_1.2@11.73,23.15 12.48,23.15 13.43,24.1 15.53,24.1 16.18,24.75 16.18,25.65 16.83,26.3 u1_1.62@19.17,26.3 ; u1_1.13@30.17,27.55 32.73,27.55 33.03,27.25 c12_1.1@33.98,27.25 33.98,26.5 34.18,26.3 34.68,26.3 36.13,24.85 r22_1.1@37.18,24.85 r23_1.1@39,24.85 39.025,24.875 41.8,24.875 ; v1(41.8,23.75) 41.8,24.875 ; d7.1@45.3,24.875 41.8,24.875
VREG_U_M_Driver2: c10_2.2 c11_2.2 c12_2.1 d7.1@95.166,24.875 r22_2.1 r23_2.1 tp3_2.1 u1_2.13 u1_2.62 | length 36.9
  Top Layer w0.254: tp3_2.1@63.1,15.9 63.1,19.4 v1(63,19.5) 62.85,19.65 c10_2.2@60.646,19.65 60.646,21 61.596,21.95 c11_2.2@61.596,23.15 62.346,23.15 63.346,24.15 65.446,24.15 66.046,24.75 66.046,25.65 66.696,26.3 u1_2.62@69.036,26.3 ; u1_2.13@80.036,27.55 82.596,27.55 82.896,27.25 c12_2.1@83.846,27.25 83.846,26.5 84.046,26.3 84.546,26.3 85.996,24.85 r23_2.1@88.846,24.85 88.866,24.85 91.7,24.85 ; v1(91.7,23.85) 91.7,24.85 ; d7.1@95.166,24.85 91.7,24.85
VREG_U_M_Driver3: c10_3.2 c11_3.2 c12_3.1 d7.1@144.866,24.825 r22_3.1 r23_3.1 tp3_3.1 u1_3.13 u1_3.62 | length 37.7
  Top Layer w0.254: tp3_3.1@111,16.1 112.7,17.8 112.7,19.6 c10_3.2@110.346,19.6 110.346,20.95 111.296,21.9 c11_3.2@111.296,23.1 112.046,23.1 113.046,24.1 115.146,24.1 115.746,24.7 115.746,25.6 116.396,26.25 u1_3.62@118.736,26.25 ; u1_3.13@129.736,27.5 132.296,27.5 132.596,27.2 c12_3.1@133.546,27.2 133.546,26.45 133.746,26.25 134.246,26.25 135.696,24.8 r23_3.1@138.546,24.8 138.566,24.8 141.3,24.8 ; v1(141.3,23.5) 141.3,24.8 ; d7.1@144.866,24.8 141.3,24.8
  other v1: 112.75,19.65
VS: c16_1.2 c16_2.2 c16_3.2 c17_1.2 c17_2.2 c17_3.2 c19_1.2 c19_2.2 c19_3.2 c20_1.1 c20_2.1 c20_3.1 c21_1.1 c21_2.1 c21_3.1 c22_1.1 c22_2.1 c22_3.1 c23_1.1 c23_2.1 c23_3.1 d3_1.1 d3_2.1 d3_3.1 d6.4 r6_1.2 r6_2.2 r6_3.2 u1_1.55 u1_1.61 u1_1.91 u1_1.92 u1_1.95 u1_1.96 u1_2.55 u1_2.61 u1_2.91 u1_2.92 u1_2.95 u1_2.96 u1_3.55 u1_3.61 u1_3.91 u1_3.92 u1_3.95 u1_3.96 | length 532.5
  Top Layer w0.254: v4(7.334,41.4) 7.334,36.346 6.2,35.212 6.2,26.1 7.7,24.6 14.95,24.6 15.4,25.05 15.4,25.9 16.52,27.02 u1_1.61@19.19,27.02 ; 7.38,36.3 7.73,35.95 9.38,35.95 9.63,35.7 c16_1.2@9.63,34.55 ; 7.38,40.5 r6_1.2@12.38,40.5 ; d3_1.1@9.58,32.85 9.63,32.9 c16_1.2@9.63,34.55 ; u1_1.55@19.17,30.08 19.165,30.075 16.155,30.075 15.78,30.45 15.78,32.25 15.53,32.5 c19_1.2@12.38,32.5 11.35,32.5 10.85,33 10.85,34.2 10.5,34.55 c16_1.2@9.63,34.55 ; v4(57.2,41.4) 57.2,40.546 57.246,40.5 ; d3_2.1@59.446,32.85 59.496,32.9 c16_2.2@59.496,34.22 ; r6_2.2@62.246,40.5 57.246,40.5 ; u1_2.55@69.036,30.08 69.031,30.075 66.021,30.075 65.646,30.45 65.646,32.25 65.396,32.5 c19_2.2@62.246,32.5 61.216,32.5 60.716,33 60.716,34.2 60.366,34.55 c16_2.2@59.496,34.55 59.496,35.7 59.246,35.95 57.596,35.95 57.246,36.3 ; u1_2.61@69.056,27.02 65.87,27.02 65.4,26.55 65.4,25.4 64.65,24.65 57.05,24.65 56.066,25.634 56.066,35.12 57.246,36.3 ; v4(106.9,41.35) 106.9,40.496 106.946,40.45 ; d3_3.1@109.146,32.8 109.196,32.85 c16_3.2@109.196,34.17 ; r6_3.2@111.946,40.45 106.946,40.45 ; u1_3.55@118.736,30.03 118.731,30.025 115.721,30.025 115.346,30.4 115.346,32.2 115.096,32.45 c19_3.2@111.946,32.45 110.916,32.45 110.416,32.95 110.416,34.15 110.066,34.5 c16_3.2@109.196,34.5 109.196,35.65 108.946,35.9 107.296,35.9 106.946,36.25 ; u1_3.61@118.756,26.97 115.82,26.97 115.2,26.35 115.2,25.8 114.1,24.7 112.744,24.7 112.74,24.696 107.454,24.696 105.766,26.384 105.766,35.07 106.946,36.25 ; 57.246,36.3 57.246,40.5 ; 106.946,36.25 106.946,40.45
  Top Layer w1.27: c20_1.1@20.38,36.95 20.38,33.64 u1_1.95@20.57,33.45 ; c21_1.1@20.48,19.15 20.48,22.66 u1_1.96@20.67,22.85 ; u1_1.92@28.67,33.65 28.98,33.96 c22_1.1@28.98,37.05 ; c20_2.1@70.246,36.95 70.246,33.64 u1_2.95@70.436,33.45 ; c21_2.1@70.346,19.15 70.346,22.66 u1_2.96@70.536,22.85 ; u1_2.92@78.536,33.65 78.846,33.96 c22_2.1@78.846,37.05 ; 119.946,34.25 c20_3.1@119.946,36.9 ; c21_3.1@120.046,19.1 120.046,22.61 u1_3.96@120.236,22.8 ; u1_3.92@128.236,33.6 128.546,33.91 c22_3.1@128.546,37
  VS w2.5: v2(29.27,22) v2(29.27,23.6) 29.27,32.82 29.85,33.4 ; v2(79.136,22) v2(79.136,23.6) 79.136,32.636 79.9,33.4 ; v2(128.786,34.1) 128.836,34.05 v2(128.836,23.55) v2(128.836,21.95)
  VS w5: v4(7.334,41.4) 19.45,41.25 ; 19.45,22.75 19.45,41.25 ; 29.6,41.4 29.85,41.4 ; 29.85,33.4 29.85,41.4 ; c17_1.2@42.88,14.85 44.78,14.85 49.18,19.25 49.18,34.654 42.434,41.4 29.85,41.4 ; 49.45,35.25 55.6,41.4 v4(57.2,41.4) 69.2,41.4 69.2,22.95 ; 70.2,41.4 79.9,41.4 ; 79.9,33.4 79.9,41.4 ; c17_2.2@92.746,14.85 94.646,14.85 99.046,19.25 99.046,34.654 92.3,41.4 79.9,41.4 ; 98.996,35.3 105.046,41.35 v4(106.9,41.35) 118.85,41.35 118.85,22.8 ; 120,41.35 129.45,41.35 ; 129.45,33.55 129.45,41.35 ; 129.45,41.475 129.45,41.35 ; c17_3.2@142.446,14.8 144.346,14.8 148.746,19.2 148.746,34.604 142,41.35 129.45,41.35 ; 19.45,41.25 20.35,41.4 28.95,41.4 29.85,41.4
  other v2: 119.736,22.05 20.17,22.1 70.036,22.1 120.786,22.8 127.786,22.8 21.22,22.85 28.22,22.85 71.086,22.85 78.086,22.85 119.736,23.65 20.17,23.7 70.036,23.7 128.786,32.5 29.22,32.55 79.086,32.55 119.636,32.65 20.07,32.7 69.936,32.7 127.736,33.35 28.17,33.4 78.036,33.4 120.686,33.4 21.12,33.45 70.986,33.45 29.22,34.15 79.086,34.15 119.636,34.25 20.07,34.3 69.936,34.3
  other v4: 10.7,49.75 19.2,49.85 10.65,51.35 19.25,51.5 19.206,53.2 10.7,53.25 10.7,54.85 19.206,54.89 10.65,56.45 19.206,56.458
VUSB: c8.2 c9.1 f1.2 u4.7 | length 56.2
  Top Layer w0.254: v1(67.45,88.8) f1.2@67.45,90.35 ; v1(80.5,61.3) 80.518,61.318 u4.7@82.292,61.318 82.31,61.3 c9.1@85.8,61.3 85.8,60.7 86.8,59.7 c8.2@91.9,59.7
  Bottom Layer w0.254: v1(67.45,88.8) 67.45,69.95 65.65,68.15 65.65,62.793 67.143,61.3 v1(80.5,61.3)
pads on no net: f3.0 f4.0 p1.4 sw1.1 u1_1.17 u1_1.18 u1_2.17 u1_2.18 u1_3.17 u1_3.18 u2.6 u4.6 u4.32 u4.39 u4.40 u5.7 u5.8 u5.11

## Polygon pours and split planes (outlines as drawn)
3v3 on VS "3v3" (solid, pour order 82): 50.3,101.3 159.35,101.3 159.35,48.25 50.3,48.25
VS on VS "VS" (solid, pour order 54): 9.6,58.8 20.05,58.8 20.05,44.85 22.2,42.7 22.2,40.15 9.6,40.15
VREG_U_M_Driver1 on VS "VREG" (solid, pour order 90): 15.55,22.85 15.55,19.55 31.7,19.55 31.7,30.1 42.55,30.1 42.55,17.25 42.5,17.2 7.25,17.2 7.25,22.85
VREG_U_M_Driver2 on VS "VREG" (solid, pour order 92): 65.4,22.95 65.4,19.6 81.7,19.6 81.7,29.8 92.55,29.8 92.55,17.3 92.5,17.25 57.25,17.25 57.25,22.95
VREG_U_M_Driver3 on VS "VREG" (solid, pour order 94): 115.1,23.2 115.1,19.6 131.35,19.6 131.35,30 142.15,30 142.15,17.2 106.9,17.25 106.9,23.2
GND on GND "GND" (solid, pour order 74): 0,101.6 0.05,101.55 0.05,0
GND on GND "PGND" (solid, pour order 84): 0,101.3 159.35,101.3 159.35,48.25 39.2,48.25 39.2,46.25 39.3,46.15 159.35,46.15 159.35,34.75 139.65,34.75 138.1,34.75 138.1,9.9 108.8,9.9 108.8,34.75 88.4,34.75 88.4,9.9 59.45,9.9 59.45,34.75 38.25,34.75 38.25,9.9 9.6,9.9 9.6,39 0,39
GND on Bottom Layer "GND" (solid, remove dead copper, pour order 88): 0,101.3 159.35,101.3 159.35,0 0,0
OUTA1_1 on Bottom Layer "Top Layer-No Net" (solid, pour order 8): 15.48,6.5 14.48,7.5 14.48,37.4 21.48,37.4 24.58,34.2 24.58,30.7 21.88,30.7 21.68,30.9 21.68,33.9 18.98,33.9 17.4,32.32 17.4,13.98 20.85,10.53 20.85,6.5
OUTA2_1 on Bottom Layer "Top Layer-No Net" (solid, pour order 12): 33.954,6.474 34.959,7.479 34.959,37.374 27.959,37.374 24.78,34.195 24.78,30.7 27.585,30.7 27.759,30.874 27.759,33.874 30.459,33.874 31.95,32.383 31.95,14.27 28.55,10.87 28.55,6.474
OUTB1_1 on Bottom Layer "Top Layer-No Net" (solid, pour order 16): 24.45,6.5 21.3,6.5 21.3,25.5 24.55,25.5 24.55,21.5 24.45,21.4
OUTB2_1 on Bottom Layer "Top Layer-No Net" (solid, pour order 18): 24.9,6.5 28,6.5 28,25.5 24.78,25.5 24.78,21.5 24.9,21.38
OUTA1_2 on Bottom Layer "Top Layer-No Net" (solid, pour order 20): 65.3,6.4 64.3,7.4 64.3,37.3 71.3,37.3 74.4,34.1 74.4,30.8 71.5,30.8 71.5,33.8 68.8,33.8 67.4,32.4 67.4,13.7 70.859,10.241 70.859,6.4
OUTA1_3 on Bottom Layer "Top Layer-No Net" (solid, pour order 22): 115.1,6.4 114.1,7.4 114.1,37.3 121.1,37.3 124.2,34.1 124.2,30.8 121.3,30.8 121.3,33.8 118.6,33.8 117.25,32.45 117.25,13.65 120.6,10.3 120.6,6.4
OUTA2_2 on Bottom Layer "Top Layer-No Net" (solid, pour order 24): 83.774,6.374 84.779,7.379 84.779,37.274 77.779,37.274 74.6,34.095 74.6,30.774 77.579,30.774 77.579,33.774 80.279,33.774 81.7,32.353 81.7,14.1 78.3,10.7 78.3,6.374
OUTA2_3 on Bottom Layer "Top Layer-No Net" (solid, pour order 26): 133.505,6.45 134.51,7.455 134.51,37.35 127.51,37.35 124.331,34.171 124.331,30.8 127.26,30.8 127.31,30.85 127.31,33.85 130.01,33.85 131.4,32.46 131.4,14.145 128.05,10.795 128.05,6.45
OUTB2_2 on Bottom Layer "Top Layer-No Net" (solid, pour order 28): 74.8,6.4 77.75,6.4 77.75,25.4 74.7,25.4 74.7,21.4 74.8,21.3
OUTB2_3 on Bottom Layer "Top Layer-No Net" (solid, pour order 30): 124.45,6.469 127.5,6.469 127.5,25.469 124.45,25.469
OUTB1_2 on Bottom Layer "Top Layer-No Net" (solid, pour order 32): 74.3,6.4 71.5,6.4 71.5,25.4 74.4,25.4 74.4,21.4 74.3,21.3
OUTB1_3 on Bottom Layer "Top Layer-No Net" (solid, pour order 34): 123.95,6.5 121.1,6.5 121.1,25.5 124.15,25.5 124.15,21.45 123.95,21.25
GND on Top Layer "GND" (solid, pour order 86): 0.023,101.33 159.373,101.33 159.373,48.28 39.273,48.28 39.273,46.18 39.323,46.23 159.373,46.23 159.373,0.03 0.023,0.03
SW_O on Top Layer "SW" (solid, pour order 72): 42.45,70.3 42.45,65.75 47.75,65.75 47.75,68.9 47.3,69.35 45.3,69.35 45.3,69.6 44.6,70.3
VIN on Top Layer "Top Layer-No Net" (solid, pour order 60): 17.65,72.3 35.7,72.3 38.3,72.3 38.3,70.5 27.2,70.5 21.5,64.8 21.5,60.95 17.65,60.95
VS on Top Layer "PS" (solid, pour order 4): 29.843,24.302 29.843,21.422 29.853,21.412 27.653,21.412 27.653,18.677 27.68,18.65 30.78,18.65 37.03,12.4 44.08,12.4 44.08,16.75 43.28,17.55 39.48,17.55 34.18,22.85 32.18,22.85 30.728,24.302
VS on Top Layer "PS" (solid, pour order 36): 79.709,24.302 79.709,21.422 79.719,21.412 77.519,21.412 77.519,18.677 77.546,18.65 80.646,18.65 86.796,12.5 93.9,12.5 93.9,16.796 93.146,17.55 89.346,17.55 84.046,22.85 82.046,22.85 80.594,24.302
VS on Top Layer "PS" (solid, pour order 38): 129.409,24.302 129.409,21.422 129.419,21.412 127.219,21.412 127.219,18.677 127.246,18.65 130.346,18.65 135.996,13 143.6,13 143.6,16.796 142.846,17.55 139.046,17.55 133.746,22.85 131.746,22.85 130.294,24.302

## Keep-outs
Keep-Out Layer:
  the board outline again, w0.2

## Other copper
Top Layer:
  text "1" at 39.4,96.8 h2
GND:
  text "2" at 41.9,96.85 h2
VS:
  pour cut-out: 37.1,17.16 42.55,22.61 42.55,17.25 42.46,17.16
  pour cut-out: 87.1,17.21 92.55,22.66 92.55,17.3 92.46,17.21
  pour cut-out: 137.25,20.15 137.35,20.15 137.5,20
  pour cut-out: 136.7,17.2 142.15,22.65 142.15,17.29 142.06,17.2
  text "3" at 46.15,96.85 h2
Bottom Layer:
  pour cut-out: 39.25,48.25 39.25,46 159.35,46 159.35,48.25
  text "4" at 48.9,96.85 h2

## Silkscreen, mask and mechanical layers (free items; w line width, h text height)
Top Overlay:
  text "TOP" at 14.65,95.15 h1.5
  text "TX" at 76.8,93.15 h1
  text "RX" at 80.35,93.15 h1
  text "BP_Motordriver_Rev2" at 14.7,92.55 h1.5
  text "V+ max +60V" at 4.15,90.1 h1 r270
  text "GND" at 109.7,79.5 h1
  text "MI" at 109.8,77 h1
  text "GND" at 10.25,75.85 h2 r270
  text "MO" at 109.8,74.4 h1
  text "SCK" at 109.8,71.85 h1
  text "Home 1" at 116.15,70.9 h0.75 r90
  text "Home 2" at 120.6,70.85 h0.75 r90
  text "Home 3" at 125.15,70.85 h0.75 r90
  text "CS" at 109.9,69.25 h1
  text "V+" at 10.2,67.2 h2 r270
  text "SPI" at 106.15,66.45 h1
  text "ER1-2" at 116.1,65.1 h0.75 r90
  text "ER2-2" at 120.6,65.1 h0.75 r90
  text "ER3-2" at 125.2,65.1 h0.75 r90
  text "ER1-1" at 116.1,59.6 h0.75 r90
  text "ER2-1" at 120.55,59.55 h0.75 r90
  text "ER3-1" at 125.25,59.55 h0.75 r90
  text "A1" at 66.7,10.15 h1
  text "A1" at 16.75,10.1 h1
  text "A2" at 80.6,10.1 h1
  text "A2" at 30.65,10.05 h1
  text "B1" at 70.8,10.05 h1
  text "B2" at 77.2,10.05 h1
  text "A1" at 116.4,10.05 h1
  text "B1" at 20.85,10 h1
  text "B2" at 27.25,10 h1
  text "A2" at 130.3,10 h1
  text "B1" at 120.5,9.95 h1
  text "B2" at 126.9,9.95 h1
Bottom Overlay:
  text "SW2" at 149.25,96.85 h1 r90
  text "SW2" at 123.75,96.8 h1 r90
  text "SW2" at 132.1,96.8 h1 r90
  text "SW2" at 140.65,96.8 h1 r90
  text "Common" at 129.2,96.75 h1 r90
  text "Common" at 114.55,96.7 h1 r90
  text "SW1" at 118.25,96.7 h1 r90
  text "Common" at 137.7,96.7 h1 r90
  text "Common" at 120.6,96.65 h1 r90
  text "SW1" at 126.55,96.65 h1 r90
  text "Common" at 146.35,96.6 h1 r90
  text "K8" at 100.55,96.55 h1 r90
  text "K7" at 103.05,96.55 h1 r90
  text "Common" at 105.6,96.55 h1 r90
  text "K6" at 109.35,96.55 h1 r90
  text "SW1" at 135.2,96.55 h1 r90
  text "SW1" at 143.95,96.5 h1 r90
  text "K5" at 112.05,96.45 h1 r90
  text "3V3" at 74.95,96.1 h1 r90
  text "GND" at 69.8,96 h1 r90
  text "PWM" at 72.35,96 h1 r90
  text "BOTTOM" at 41.9,89.1 h1.5
  text "BP_Motordriver_Rev2" at 41.85,86.65 h1.5
  text "Project van Robbie Smedts & Vincent Agemans" at 123,82.65 h2
  text "KU Leuven" at 113.1,51 h10